# Altium PCB LTE-To-Serial-Adapter.PcbDoc (part 1 of 2) (continued)
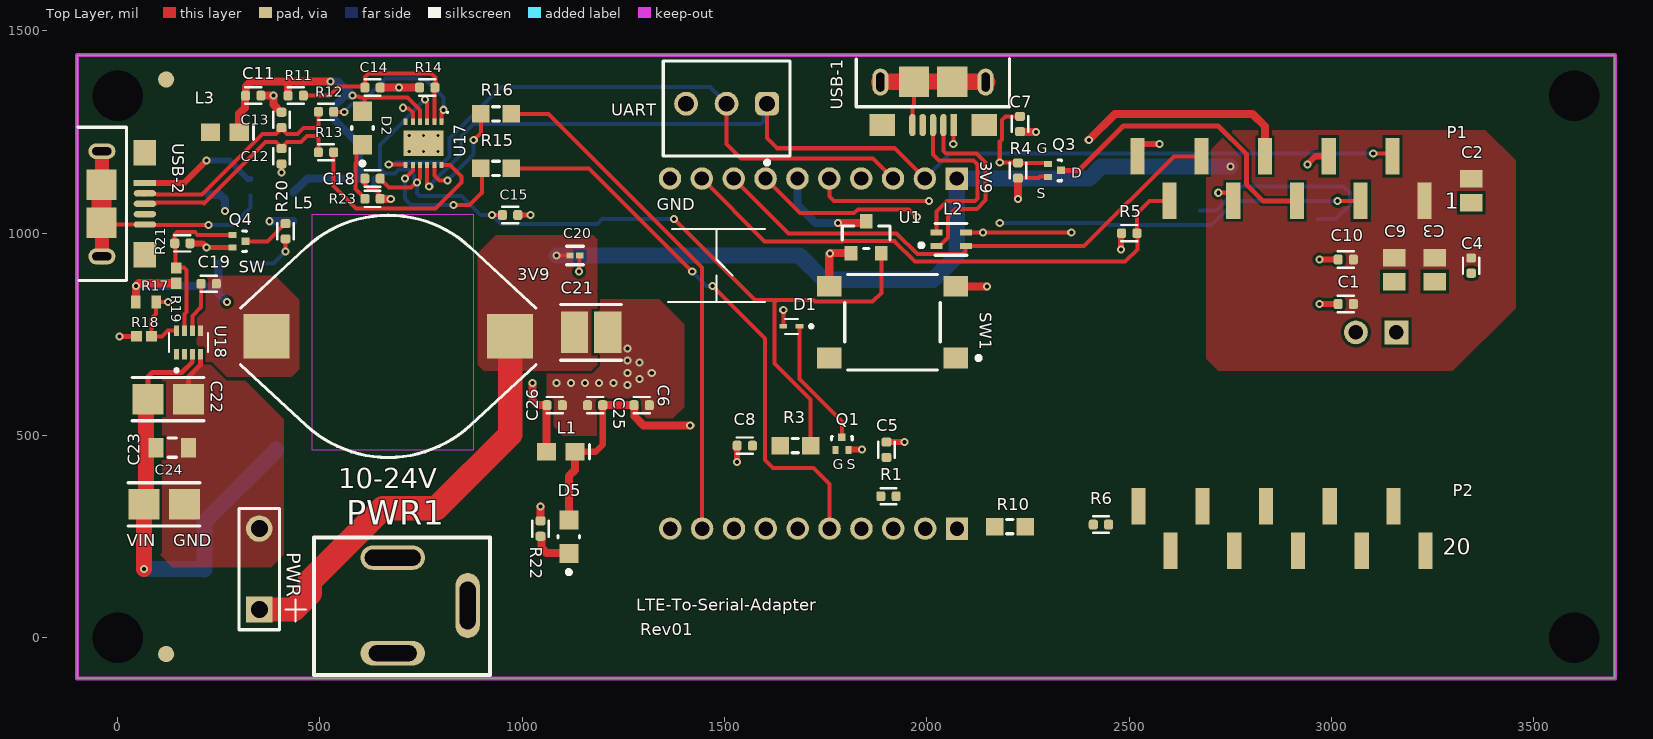
[diagram p0: Top Layer view]
## Part data (continued)
C21: library part CMP-2000-06362-2, "47 µF ±10% 16V Ceramic Capacitor X5R 1210 (3225 Metric)", Capacitance="47UF 16V X5R 1210", Case Code (Imperial)=1210, Case Code (Metric)=3225, Dielectric=X5R, Digi-Key Part Number=490-6539-1-ND, Manufacturer="Murata Electronics", Max Operating Temperature=85°C, Min Operating Temperature=-55°C, Package Quantity=1, Tolerance=10%, Voltage=16V, Case/Package=1210, Depth=2.5mm, Height=2.5mm, Lead Free="Lead Free", Length=3.2mm, Manufacturer Product Number=GRM32ER61C476KE15L, Material=Ceramic, Mount="Surface Mount", Number of Pins=2, Packaging="Cut Tape", Radiation Hardening=No, REACH SVHC="No SVHC", RoHS Compliant=Yes, Termination=SMD/SMT, Thickness=0.106inch, Voltage Rating=16V, Voltage Rating (DC)=16V, Width=0.098inch
C22 C24: library part CMP-2000-06045-2, "10 µF ±10% 50V Ceramic Capacitor X5R 1206 (3216 Metric)", Capacitance="10UF 50V X5R 1206", Case Code (Imperial)=1206, Case Code (Metric)=3216, Dielectric=X5R, Dielectric Material=Ceramic, Digi-Key Part Number=445-5998-1-ND, Manufacturer="TDK Corporation", Max Operating Temperature=85°C, Min Operating Temperature=-55°C, Package Quantity=1, Tolerance=10%, Voltage=50V, Case/Package=1206, Construction=Flat, Depth=1.6mm, Height=1.6mm, Lead Free="Lead Free", Length=3.2mm, Manufacturer Product Number=C3216X5R1H106K160AB, Mount="Surface Mount", Packaging="Tape and Reel", Radiation Hardening=No, REACH SVHC="No SVHC", Resistor Type=Ceramic, RoHS Compliant=Yes, Series=C, Termination=SMD/SMT, Thickness=0.071inch, Voltage Rating=50V, Voltage Rating (DC)=50V, Weight=0.000571oz, Width=0.063inch
C23: library part CMP-2000-07546-2, "0.1 µF ±10% 50V Ceramic Capacitor X7R 0603 (1608 Metric)", Capacitance=100nF, Case Code (Imperial)=0603, Case Code (Metric)=1608, Dielectric=X7R, Digi-Key Part Number=445-5666-1-ND, Manufacturer="TDK Corporation", Max Operating Temperature=125°C, Min Operating Temperature=-55°C, Package Quantity=1, Ratings=AEC-Q200, Tolerance=10%, Voltage=50V, Case/Package=0603, Composition=Ceramic, Depth=0.8mm, Height=0.8mm, Lead Free="Lead Free", Length=1.6mm, Manufacturer Product Number=CGA3E2X7R1H104K080AA, Mount="Surface Mount", Packaging="Tape and Reel", Radiation Hardening=No, REACH SVHC="No SVHC", Termination=SMD/SMT, Thickness=0.035inch, Voltage Rating=50V, Voltage Rating (DC)=50V, Weight=7.1E-05oz, Width=0.8mm
D1: library part "D Zener", "Clamp Ipp Tvs Diode Surface Mount SOD-923", Digi-Key Part Number=DF2S6.2FSL3MCT-ND, Manufacturer="Toshiba Semiconductor and Storage", LatestRevisionDate=17-Jul-2002, LatestRevisionNote="Re-released for DXP Platform.", Manufacturer Product Number=DF2S6.2FS,L3M, PackageDescription="Diode, Thru-Hole; 2 Leads; 0.7 in Pin Spacing", PackageReference=SOD-923, Published=8-Jun-2000, Publisher="Altium Limited"
D2 D4 D5 ONSLEEP: library part CMP-1674-00002-6, "Green 569nm LED Indication - Discrete 2.1V 0805 (2012 Metric)", Case Code (Imperial)=0805, Case Code (Metric)=2012, Color=Green, Digi-Key Part Number=160-1179-1-ND, Forward Current=30mA, Forward Voltage=2.1V, Lens Color=Colorless, Manufacturer="Lite-On Inc.", Max Operating Temperature=85°C, Min Operating Temperature=-55°C, Package Quantity=1, Power Dissipation=100mW, Reverse Voltage=5V, Test Current=10mA, Case/Package=0805, Depth=1.25mm, Dominant Wavelength=569nm, Height=1.1mm, Illumination Color=Green, Lead Free="Lead Free", Length=2mm, Lens Style=Diffused, Lens Transparency=Clear, Luminous Intensity=6mcd, Manufacturer Product Number=LTST-C170GKT, Mount="Surface Mount", Number of Elements=1, Number of LEDs=1, Number of Pins=2, Packaging="Tape and Reel", Power Rating=100mW, Radiation Hardening=No, Viewing Angle=130°, Voltage=5V, Wavelength=565nm, Width=1.25mm
D20: library part CMP-08607-000081-1, "45.4V Clamp 13.3A Ipp Tvs Diode Surface Mount DO-214AA (SMBJ)", Breakdown Voltage=31.1V, Clamping Voltage=45.4V, Digi-Key Part Number=SMBJ28ALFCT-ND, Manufacturer="Littelfuse Inc.", Max Junction Temp=+150°C, Package=SMBJ, Peak Pulse Current=13.3A, Peak Pulse Power=600W, Reverse Standoff Voltage=28V, Temperature="-65°C to +150°C", Temperature Range Low=-65°C, Automotive=No, Category=Diode, ComponentLink2Description=Datasheet, ComponentLink2URL=https://www.littelfuse.com/~/media/electronics/datasheets/tvs_diodes/littelfuse_tvs_diode_smbj_datasheet.pdf.pdf, Device Class L1="Circuit Protection", Device Class L2="TVS Diodes", Device Class L3=unset, Digikey Description="TVS DIODE 28V 45.4V DO214AA", Direction=Unidirectional, Height=2.61mm, Lead Free=Yes, Manufacturer Part Number=SMBJ28A, Manufacturer Product Number=SMBJ28A, Mouser Description="Littelfuse SMBJ28A, Uni-Directional TVS Diode, 600W, 2-Pin DO-214AA", Number Of Channels=1, Octopart=https://octopart.com/smbj28a-littelfuse-350790, RoHS=TRUE, Temperature Range High=+150°C
D21: library part CMP-1667-00003-3, "Diode 40 V 3A Surface Mount SMA", Average Rectified Current=3A, Capacitance=250pF, Case/Package=SMA, Digi-Key Part Number=B340A-FDICT-ND, Forward Voltage=500mV, Max Forward Surge Current (Ifsm)=80A, Max Operating Temperature=125°C, Max Repetitive Reverse Voltage (Vrrm)=40V, Max Reverse Current=500uA, Min Operating Temperature=-55°C, Package Quantity=5000, Contact Plating=Tin, Current=3A, Current Rating=3A, Element Configuration=Single, Forward Current=3A, Height=2.3mm, Lead Free="Lead Free", Length=4.6mm, Manufacturer Product Number=B340A-13-F, Max Reverse Voltage (DC)=40V, Mount="Surface Mount", Number of Pins=2, Output Current=3A, Packaging="Tape and Reel", Peak Non-Repetitive Surge Current=80A, Polarity=Standard, Radiation Hardening=No, REACH SVHC="No SVHC", RoHS Compliant=Yes, Series=-, Termination=SMD/SMT, Voltage=40V, Voltage Rating (DC)=40V, Weight=0.002258oz, Width=2.92mm
J1 J2: "Connector Header Through Hole 10 position 0.079\" (2.00mm)", Digi-Key Part Number=612-MTMM-110-04-G-S-215-ND, Manufacturer="Samtec Inc.", Package=None, Assy Note=DNP, Availability=Unavailable, Manufacturer Product Number=MTMM-110-04-G-S-215, MP=MTMM-110-04-G-S-215, Price=None
L1: library part Inductor, "120 Ohms @ 100 MHz 1 Power Line Ferrite Bead 0603 (1608 Metric) 3A 30mOhm", Digi-Key Part Number=490-5254-1-ND, Manufacturer="Murata Electronics", Supplier Part Number 1=1276-6386-1-ND, Code_IEC=1005, Code_JEITA=0402, Cost=0.02594, LatestRevisionDate=29-May-2009, LatestRevisionNote="IPC-7351 Footprint Added.", Manufacturer Product Number=BLM18KG121TN1D, PackageDescription="Chip Inductor", PackageReference=0402-A, Published=8-Jun-2000, Publisher="Altium Limited", Supplier 1=Digi-Key
L2: library part CMP-07251-000007-1, "2 Line Common Mode Choke Surface Mount 90 Ohms @ 100 MHz 400mA DCR 300mOhm", Case/Package=0805, Current=400mA, DC Resistance (DCR)=300mR, Digi-Key Part Number=SRF2012-900YACT-ND, Insulation Resistance=10MR, Manufacturer="Bourns Inc.", Max Operating Temperature=125°C, Min Operating Temperature=-40°C, Package Quantity=1, Resistance=90R, Test Frequency=100MHz, Tolerance=25%, Voltage Rating (DC)=50V, ComponentLink1Description=Datasheet, ComponentLink1URL=C:\Users\Roman.Chak\Documents\Projects\UVDI-360\Docs\Datasheets\Inductor\SRF2012A.pdf, Core Material=Ferrite, Current Rating=400mA, DC Current=400mA, Depth=1.4mm, Element Configuration=Dual, Halogen Free="Halogen Free", Height=1.2mm, Impedance=90R, Length=2mm, Manufacturer Product Number=SRF2012-900YA, Material=Steel, Max DC Current=400mA, Mount="Surface Mount", Number of Lines=2, Packaging="Tape and Reel", REACH SVHC="No SVHC", RoHS Compliant=Yes, Series=SRF2012A, Shielding=Unshielded, Termination=SMD/SMT, Width=1.2mm
L3: library part Inductor, "80 Ohms @ 100 MHz 1 Ferrite Bead 0603 (1608 Metric) 600mA 100mOhm", Digi-Key Part Number=4161-CTCB0603F-800M-ND, Manufacturer="Central Technologies", Code_IEC=1005, Code_JEITA=0402, ComponentLink1Description="CIM10U800NC Datasheet", ComponentLink1URL="C:\Users\Roman.Chak\Documents\Projects\UVDI-360\Docs\Datasheets\Ferrite Bid\CIB_CIM10_ds.pdf", ComponentLink2Description=Datasheet, ComponentLink2URL="C:\Users\Roman.Chak\Documents\Projects\UVDI-360\Docs\Datasheets\Ferrite Bid\ctcbf-pwr.pdf", Cost=0.02594, Desc="FERRITE BEAD 80 OHM 0603 1LN", LatestRevisionDate=29-May-2009, LatestRevisionNote="IPC-7351 Footprint Added.", Manufacturer Product Number=CTCB0603F-800M, PackageDescription="Chip Inductor", PackageReference=0402-A, Published=8-Jun-2000, Publisher="Altium Limited"
L4: library part "Trans Ideal", "Common Mode Chokes / Filters", Manufacturer=Coilcraft, ComponentLink1Description="C Datasheet", ComponentLink1URL="C:\Users\chakr\OneDrive\Documents\Projects\WiFi Node Rev3.0-3.1-4.0\Docs\Datasheets\Firter Bid\DS_FT2232D.pdf", LatestRevisionDate=17-Jul-2002, LatestRevisionNote="Re-released for DXP Platform.", Manufacturer Product Number=1206USB-223MLB, PackageDescription="Transformer; 4 Leads", PackageReference=TRF_4, Published=8-Jun-2000, Publisher="Altium Limited"
L5: library part 74458005, "5.6 µH Unshielded Drum Core, Wirewound Inductor 5.3 A 20mOhm Max Nonstandard / WE-PD4 SMT Power Inductor, Type X, 5.6µH, 5.3A, 0.02Ω", Alternative Manufacture="NIC Components", Alternative Part Number=NPI52W5R6MTRF, Case/Size Code="Type X", DC Resistance=0.012Ω, DC Resistance Max=0.02Ω, Digi-Key Part Number=732-1380-1-ND, Inductance=5.6µH, Manufacturer="Wurth Elektronik", Operating Temperature Max=125°C, Operating Temperature Min=-40°C, Rated Current=5.3A, Saturation Current=13.1A, Self Resonant Frequency=26MHz, Category="Unshielded Power Inductors", ComponentLink1Description="Website Link", ComponentLink1URL=https://www.we-online.com/redexpert/article/74458005?ad, ComponentLink2Description="Datasheet Link", ComponentLink2URL=https://www.we-online.com/redexpert/spec/74458005?ad, ComponentLink3Description="DigiKey Link", ComponentLink3URL=https://www.digikey.com/en/products/detail/w%C3%BCrth-elektronik/74458005/1638785?s=N4IgjCBcoMxgLFUBjKAzAhgGwM4FMAaEAeygG1x4YqA2EAXSIAcAXKEAZRYCcBLAOwDmIAL5EATAAYAHAHYkIVJEy5CJciACsAOhoACAK0AJBszaQQAVX68WAeTQBZPBhwBXbnlESZ0hUpV8IlJICh0YPQBBUxBWdmtbB2dXDy8xEABacX8oHjc1ELCGEXTs0JABABM3ZBZibmKgA, ComponentLink4Description=Datasheet, ComponentLink4URL="C:\Users\Roman.Chak\Documents\Projects\UVDI-360\Docs\Datasheets\Wurth Electronics\74458005.pdf", Height=7.1mm, Length=18.5mm, Manufacturer Part Number=74458005, Manufacturer Product Number=74458005, Match Code=WE-PD4, Mount="Surface Mount", Packaging="Tape and Reel", Width=15.2mm
P1: library part Skywire_Header_1_10, "CONN HDR 10POS 0.079 GOLD SMD", Digi-Key Part Number=S5901-10-ND, Manufacturer="Sullins Connector Solutions", ComponentLink1Description=Digi-Key, ComponentLink1URL=https://www.digikey.com/en/products/detail/sullins-connector-solutions/NPPN101BFLC-RC/810012?s=N4IgTCBcDaIMoFYCcAGAjAWjSjA5AIiALoC%2BQA, ComponentLink2Description=Datasheet, ComponentLink2URL=C:\Users\Roman.Chak\Documents\Projects\UVDI-360\Docs\Datasheets\Header\10489_NPPN101BFLC-RC.pdf, Manufacturer Product Number=NPPN101BFLC-RC
P2: library part skywire_header_11_20, "CONN HDR 10POS 0.079 GOLD SMD", Digi-Key Part Number=S5901-10-ND, Manufacturer="Sullins Connector Solutions", ComponentLink1Description=Datasheet, ComponentLink1URL=C:\Users\Roman.Chak\Documents\Projects\UVDI-360\Docs\Datasheets\Header\10489_NPPN101BFLC-RC.pdf, Manufacturer Product Number=NPPN101BFLC-RC
P6 PWR: "Header, 2-Pin", LatestRevisionDate=17-Jul-2002, LatestRevisionNote="Re-released for DXP Platform.", Publisher="Altium Limited"
PWR1: library part 1000221, "Power Barrel Connector Jack 2.10mm ID (0.083\"), 5.50mm OD (0.217\") Through Hole, Right Angle", Color=Black, Current_Rating=2.5A, DigiKey Part Number=CP-202AH-ND, Manufacturer="Same Sky (Formerly CUI Devices)", Manufacturer1="CUI Inc", Manufacturer Product Number=PJ-202AH, Manufacturer_Part_Number1=PJ-002A, Operating_Temperature="-25°C ~ 85°C", Voltage_Rating=24VDC, Bom_View=https://app.bom.com/a/M4NTV6P6P87E101Q?v=bom.indented, Connector_Type=Jack, Contact_Type="Male Pin", Costing_View=https://app.bom.com/a/M4NTV6P6P87E101Q?v=costing.summary, Datasheet_Link=http://www.cui.com/product/resource/digikeypdf/pj-202a.pdf, Distributor1=Digi-Key, Distributor2=Digi-Key, Distributor_Part_Number1=CP-002A-ND, Distributor_Part_Number2=CP-202A-ND, Files_View=https://app.bom.com/a/M4NTV6P6P87E101Q?v=files.associations, Gender=Male, Header_Orientation=Horizontal, Insertion_Removal_Method="Push In / Pull Out", Item_Phase=Production, Manufacturer2="CUI Inc", Manufacturer_Part_Number2=PJ-202A, Mounting_Type="Through Hole", Part_Number=1000221, Part_Type=Connector, Revision=B, Sourcing_View=https://app.bom.com/a/M4NTV6P6P87E101Q?v=sourcing.relationships, Specs_View=https://app.bom.com/a/M4NTV6P6P87E101Q?v=spec.summary, Termination=Solder
Q1 Q2 Q3 Q4: "N-Channel 20 V 100mA (Ta) 150mW (Ta) Surface Mount VMT3", Digi-Key Part Number=RUM001L02T2CLCT-ND, Manufacturer="Rohm Semiconductor", ComponentLink1Description=Datasheet, ComponentLink1URL=C:\Users\Roman.Chak\Documents\Projects\UVDI-360\Docs\Datasheets\MOSFET\rum001l02t2cl-e.pdf, Manufacturer Product Number=RUM001L02T2CL
R1 R5 R6: library part 1000794, "1 kOhms ±1% 0.063W, 1/16W Chip Resistor 0402 (1005 Metric) Thick Film", Digi-Key Part Number=CR0402-FX-1001GLFCT-ND, Manufacturer1="Bourns Inc", Manufacturer2="Samsung Electro-Mechanics America, Inc", Manufacturer_Part_Number2=RC1005F102CS, Operating_Temperature="-55°C ~ 155°C", Power="0.063W, 1/16W", Resistance_Ohms=1k, Resistor_Package="0402 (1005 Metric)", Temperature_Coefficient=±100ppm/°C, Tolerance=±1%, Bom_View=https://app.bom.com/a/O6PVX8R8RA9G31AY?v=bom.indented, Composition="Thick Film", Costing_View=https://app.bom.com/a/O6PVX8R8RA9G31AY?v=costing.summary, Datasheet_Link=http://media.digikey.com/pdf/Data%20Sheets/Samsung%20PDFs/RC_Series_ds.pdf, Distributor1=Digi-Key, Distributor2=Digi-Key, Distributor_Part_Number1=CR0402-FX-1001GLFTR-ND, Distributor_Part_Number2=1276-3430-2-ND, Features="Moisture Resistant", Files_View=https://app.bom.com/a/O6PVX8R8RA9G31AY?v=files.associations, Height="0.016\" (0.40mm)", Item_Phase=Production, Manufacturer=CR0402-FX-1001GLF, Manufacturer Product Number=CR0402-FX-1001GLF, Manufacturer_Part_Number1=CR0402-FX-1001GLF, Mounting_Type="Surface Mount", Number_of_Terminations=2, Part_Number=CR0402-FX-1001GLF, Part_Type=Resistor, Revision=A, Size_Dimension="0.039\" L x 0.020\" W (1.00mm x 0.50mm)", Sourcing_View=https://app.bom.com/a/O6PVX8R8RA9G31AY?v=sourcing.relationships, Specs_View=https://app.bom.com/a/O6PVX8R8RA9G31AY?v=spec.summary
R2 R20 R22 R23: library part 1001162, "330 Ohms ±1% 0.1W, 1/10W Chip Resistor 0402 (1005 Metric) Automotive AEC-Q200 Thick Film", Digi-Key Part Number=P330LCT-ND, Manufacturer="Panasonic Electronic Components", Operating_Temperature="-55°C ~ 155°C", Power="0.1W, 1/10W", Resistance=330, Resistor_Package="0402 (1005 Metric)", Temperature_Coefficient=±100ppm/°C, Tolerance=±1%, Bom_View=https://app.bom.com/a/1J28AL4L4NMTGF0H?v=bom.indented, Composition="Thick Film", Costing_View=https://app.bom.com/a/1J28AL4L4NMTGF0H?v=costing.summary, Datasheet_Link=http://industrial.panasonic.com/www-cgi/jvcr13pz.cgi?E+PZ+3+AOA0002+ERJ2RKF3300X+7+WW, Distributor1=Digi-Key, Distributor_Part_Number1=P330LCT-ND, Features="Automotive AEC-Q200", Files_View=https://app.bom.com/a/1J28AL4L4NMTGF0H?v=files.associations, Height="0.016\" (0.40mm)", Item_Phase=Production, Manufacturer1="Panasonic Electronic Components", Manufacturer Product Number=ERJ-2RKF3300X, Manufacturer_Part_Number1=ERJ-2RKF3300X, Mounting_Type="Surface Mount", Number_of_Terminations=2, Part_Number=1001162, Part_Type=Resistor, Revision=A, Size_Dimension="0.039\" L x 0.020\" W (1.00mm x 0.50mm)", Sourcing_View=https://app.bom.com/a/1J28AL4L4NMTGF0H?v=sourcing.relationships, Specs_View=https://app.bom.com/a/1J28AL4L4NMTGF0H?v=spec.summary
R3 R10 R15 R16: library part 1001176, "0 Ohms Jumper Chip Resistor 0603 (1608 Metric) Automotive AEC-Q200 Thick Film", Digi-Key Part Number=RMCF0603ZT0R00CT-ND, Manufacturer="Stackpole Electronics Inc", Operating_Temperature="-55°C ~ 125°C", Power="0.25W, 1/4W", Resistance=0, Resistor_Package="0805 (2012 Metric)", Temperature_Coefficient=±100ppm/°C, Tolerance=±1%, Bom_View=https://app.bom.com/a/Q8RXZATATCBI53HK?v=bom.indented, Composition="Thick Film", Costing_View=https://app.bom.com/a/Q8RXZATATCBI53HK?v=costing.summary, Datasheet_Link=http://industrial.panasonic.com/lecs/www-data/pdf/AOA0000/AOA0000CE3.pdf, Distributor1=Digi-Key, Distributor_Part_Number1=RMCF0603ZT0R00CT-ND, Features="Automotive AEC-Q200, Current Sense", Files_View=https://app.bom.com/a/Q8RXZATATCBI53HK?v=files.associations, Height="0.028\" (0.70mm)", Item_Phase=Production, Manufacturer1="Stackpole Electronics Inc", Manufacturer Product Number=RMCF0603ZT0R00, Mounting_Type="Surface Mount", Number_of_Terminations=2, Part_Number=RMCF0603ZT0R00, Part_Type=Resistor, Revision=A, Size_Dimension="0.079\" L x 0.049\" W (2.00mm x 1.25mm)", Sourcing_View=https://app.bom.com/a/Q8RXZATATCBI53HK?v=sourcing.relationships, Specs_View=https://app.bom.com/a/Q8RXZATATCBI53HK?v=spec.summary
R4 R11: library part 1000795, "10 kOhms ±5% 0.063W, 1/16W Chip Resistor 0402 (1005 Metric) Moisture Resistant Thick Film", Digi-Key Part Number=311-10KJRCT-ND, Manufacturer=YAGEO, Manufacturer1="Bourns Inc", Manufacturer_Part_Number1=CR0402-FX-1002GLF, Manufacturer_Part_Number2=CR0402-FX-1002GAS, Operating_Temperature="-55°C ~ 155°C", Power="0.063W, 1/16W", Resistance_Ohms=10k, Resistor_Package="0402 (1005 Metric)", Temperature_Coefficient=±100ppm/°C, Tolerance=±1%, Bom_View=https://app.bom.com/a/P7QWY9S9SBAH42BP?v=bom.indented, Composition="Thick Film", Costing_View=https://app.bom.com/a/P7QWY9S9SBAH42BP?v=costing.summary, Datasheet_Link=http://media.digikey.com/pdf/Data%20Sheets/Samsung%20PDFs/RC_Series_ds.pdf, Distributor1=Digi-Key, Distributor2=Digi-Key, Distributor_Part_Number1=CR0402-FX-1002GLFTR-ND, Distributor_Part_Number2=CR0402-FX-1002GASTR-ND, Features="Moisture Resistant", Files_View=https://app.bom.com/a/P7QWY9S9SBAH42BP?v=files.associations, Height="0.016\" (0.40mm)", Item_Phase=Production, Manufacturer2="Bourns Inc", Manufacturer Product Number=RC0402JR-0710KL, Mounting_Type="Surface Mount", Number_of_Terminations=2, Part_Number=RC0402JR-0710KL, Part_Type=Resistor, Revision=A, Size_Dimension="0.039\" L x 0.020\" W (1.00mm x 0.50mm)", Sourcing_View=https://app.bom.com/a/P7QWY9S9SBAH42BP?v=sourcing.relationships, Specs_View=https://app.bom.com/a/P7QWY9S9SBAH42BP?v=spec.summary
R7 R21: library part 1000797, "1 MOhms ±1% 0.063W, 1/16W Chip Resistor 0402 (1005 Metric) Thick Film", Digi-Key Part Number=CR0402-FX-1004GLFCT-ND, Manufacturer="Bourns Inc.", Manufacturer1="Bourns Inc", Manufacturer2="Samsung Electro-Mechanics America, Inc", Manufacturer_Part_Number2=RC1005F105CS, Operating_Temperature="-55°C ~ 155°C", Power="0.063W, 1/16W", Resistance=1M, Resistor_Package="0402 (1005 Metric)", Temperature_Coefficient=±100ppm/°C, Tolerance=±1%, Bom_View=https://app.bom.com/a/R9SY0BUBUDCJ64DV?v=bom.indented, Composition="Thick Film", Costing_View=https://app.bom.com/a/R9SY0BUBUDCJ64DV?v=costing.summary, Datasheet_Link=http://media.digikey.com/pdf/Data%20Sheets/Samsung%20PDFs/RC_Series_ds.pdf, Distributor1=Digi-Key, Distributor2=Digi-Key, Distributor_Part_Number1=CR0402-FX-1004GLFTR-ND, Distributor_Part_Number2=1276-3433-2-ND, Features="Moisture Resistant", Files_View=https://app.bom.com/a/R9SY0BUBUDCJ64DV?v=files.associations, Height="0.016\" (0.40mm)", Item_Phase=Production, Manufacturer Product Number=CR0402-FX-1004GLF, Manufacturer_Part_Number1=CR0402-FX-1004GLF, Mounting_Type="Surface Mount", Number_of_Terminations=2, Part_Number=1000797, Part_Type=Resistor, Revision=A, Size_Dimension="0.039\" L x 0.020\" W (1.00mm x 0.50mm)", Sourcing_View=https://app.bom.com/a/R9SY0BUBUDCJ64DV?v=sourcing.relationships, Specs_View=https://app.bom.com/a/R9SY0BUBUDCJ64DV?v=spec.summary
R8: library part 1000794, "5.23 kOhms ±1% 0.063W, 1/16W Chip Resistor 0402 (1005 Metric) Moisture Resistant Thick Film", Manufacturer=YAGEO, Manufacturer1="Bourns Inc", Manufacturer Product Number=RC0402FR-075K23L, Operating_Temperature="-55°C ~ 155°C", Power="0.063W, 1/16W", Resistance="5.23k 1%", Resistance_Ohms=5.23k, Resistor_Package="0402 (1005 Metric)", Temperature_Coefficient=±100ppm/°C, Tolerance=±1%, Composition="Thick Film", Digi-Key Part Number=YAG3195CT-ND, Features="Moisture Resistant", Height="0.016\" (0.40mm)", Item_Phase=Production, Mounting_Type="Surface Mount", Number_of_Terminations=2, Part_Number=YAG3195CT-ND, Part_Type=Resistor, Revision=A, Size_Dimension="0.039\" L x 0.020\" W (1.00mm x 0.50mm)"
R9: library part 1000794, "10 kOhms ±5% 0.063W, 1/16W Chip Resistor 0402 (1005 Metric) Moisture Resistant Thick Film", Digi-Key Part Number=311-10KJRCT-ND, Manufacturer=YAGEO, Manufacturer1="Bourns Inc", Operating_Temperature="-55°C ~ 155°C", Power="0.063W, 1/16W", Resistance_Ohms=10k, Resistor_Package="0402 (1005 Metric)", Temperature_Coefficient=±100ppm/°C, Tolerance=±1%, Composition="Thick Film", Features="Moisture Resistant", Height="0.016\" (0.40mm)", Item_Phase=Production, Manufacturer Product Number=RC0402JR-0710KL, Mounting_Type="Surface Mount", Number_of_Terminations=2, Part_Number=311-10KJRCT-ND, Part_Type=Resistor, Revision=A, Size_Dimension="0.039\" L x 0.020\" W (1.00mm x 0.50mm)"
R12 R13: library part Res3, "RES SMD 27 OHM 5% 1/16W 0402", Digi-Key Part Number=RHM27CECT-ND, Manufacturer="Rohm Semiconductor", Cost=0.00384, LatestRevisionDate=29-May-2009, LatestRevisionNote="IPC-7351 Footprint Added.", Manufacturer Part Number=MCR01MRTJ270, PackageDescription="Chip Resistor", PackageReference=J1-0603, Published=8-Jun-2000, Publisher="Altium Limited", Supplier 1=Digi-Key, Supplier Part Number 1=RHM27CECT-ND
R14: library part Res3, "RES SMD 15K OHM 1% 1/10W 0402", Digi-Key Part Number=P15.0KLCT-ND, Manufacturer="Panasonic Electronic Components", Supplier Part Number 1=P15.0KLDKR-ND, Cost=0.00384, LatestRevisionDate=29-May-2009, LatestRevisionNote="IPC-7351 Footprint Added.", Manufacturer Part Number=ERJ-2RKF1502X, PackageDescription="Chip Resistor", PackageReference=J1-0603, Published=8-Jun-2000, Publisher="Altium Limited", Supplier 1=Digi-Key
R17: library part CMP-2000-06940-1, "39 kOhms ±1% 0.1W, 1/10W Chip Resistor 0603 (1608 Metric) Moisture Resistant Thick Film", Case Code - in=0603, Case Code - mm=1608, Digi-Key Part Number=311-39.0KHRCT-ND, Manufacturer=YAGEO, Operating Temperature Range=-55Cto+155C, Package Description="2-Pin Surface Mount Device, Body 1.6 x 0.8 mm", Power Rating=100mW, Resistance="39K OHM 1% 0603", Temperature Coefficient=100PPM/C, Tolerance=1%, Voltage Rating=50V, Datasheet URL=http://www.yageo.com/documents/recent/PYu-RC_Group_51_RoHS_L_7.pdf, Datasheet Version="Rev. 7, 05/2017", Manufacturer Product Number=RC0603FR-0739KL, Manufacturer URL=http://www.yageo.com/, Mounting Technology=SurfaceMount, Package Reference=0603, Packaging=Reel, Product=ThickFilmResistorsGeneralPurpose, Series=RC, Termination Style=SMD/SMT
R18: library part CMP-2002-03043-1, "10 kOhms ±1% 0.2W, 1/5W Chip Resistor 0402 (1005 Metric) Automotive AEC-Q200, Pulse Withstanding Thick Film", Digi-Key Part Number=541-10.0KYCT-ND, Manufacturer="Vishay Dale", Resistance="10K OHM 1% 1/5W 0402", Manufacturer Product Number=CRCW040210K0FKEDHP, Part Number=CRCW040210K0FKEDHP
R19: library part CMP-2002-03043-1, "10 kOhms ±1% 0.2W, 1/5W Chip Resistor 0402 (1005 Metric) Automotive AEC-Q200, Pulse Withstanding Thick Film", Digi-Key Part Number=541-10.0KYCT-ND, Manufacturer="Vishay Dale", Resistance="10K OHM 1%", Manufacturer Product Number=CRCW040210K0FKEDHP, Part Number=CRCW040210K0FKEDHP
SW1: library part CMP-2000-05160-2, "SWITCH TACTILE SPST-NO 0.05A 12V", Case/Package=SMD/SMT, Color=Black, Contact Resistance=100mR, Current Rating=50mA, Digi-Key Part Number=CKN9112CT-ND, Manufacturer=C&K, Manufacturer Product Number="PTS645SM43SMTR92 LFS", Max Operating Temperature=60°C, Max Voltage Rating (DC)=12V, Min Operating Temperature=-20°C, Operating Force=160gf, Package Quantity=1, Actuator Length=0.85mm, Actuator Material=Nylon, Actuator Type=Standard, Contact Material=Silver, Contact Plating=Silver, Depth=9mm, Illumination Type=Non-Illuminated, Lead Free="Lead Free", Length=6mm, Max Current Rating=50mA, Mechanical Life=100000Cycles, Mount="Surface Mount", Orientation=Straight, Packaging="Tape and Reel", REACH SVHC="No SVHC", Switch Function=Off-Mom, Termination="Gull Wing", Throw Configuration=SPST, Voltage Rating (DC)=12V
U1: library part CMP-12756-000008-1, "Linear Voltage Regulator IC Positive Fixed 1 Output 150mA SOT-23-3", Digi-Key Part Number=AP2120N-3.3TRG1DICT-ND, Dropout Voltage=300mV, Manufacturer="Diodes Incorporated", Max Junction Temp=+85°C, Max Supply Voltage=6V, Min Supply Voltage=2V, Nominal Supply Current=25uA, Output Current=150mA, Output Voltage=3.3V, Package=SOT23, Temperature="-40°C to +85°C", Temperature Range Low=-40°C, Accuracy Percentage=2%, Automotive=No, Category=IC, ComponentLink2Description=Package, ComponentLink2URL=https://www.diodes.com/assets/Package-Files/SOT23.pdf, ComponentLink3Description=Datasheet, ComponentLink3URL="C:\Users\Roman.Chak\Documents\Projects\UVDI-360\Docs\Datasheets\Diodes Incorporated\AP2120.pdf", Device Class L1="Integrated Circuits (ICs)", Device Class L2="Power Management ICs", Device Class L3="Voltage Regulators - Linear", Digikey Description="IC REG LINEAR 3.3V 150MA SOT23", Footprint Url=https://www.diodes.com/assets/Package-Files/SOT23.pdf, Height=1.1mm, Ipc Land Pattern Name=SOT92P240X102-3, Lead Free=Yes, Manufacturer Part Number=AP2120N-3.3TRG1, Manufacturer Product Number=AP2120N-3.3TRG1, Mouser Description="AP2120 Series 3.3 V 0.15 A Surface Mount CMOS LDO Regulator - SOT23", Number Of Outputs=1, Octopart=https://octopart.com/ap2120n-3.3trg1-diodes+inc.-30954573, Output Type=Fixed, RoHS=TRUE, Standoff Height=0.013mm, Temperature Range High=+85°C
U2: library part CMP-04857-000005-1, "IC OSC PROG TIMER TSOT23-6", Case/Package=SOT-23-6, Digi-Key Part Number=296-42621-1-ND, Manufacturer="Texas Instruments", Max Operating Temperature=105°C, Max Supply Voltage=5.5V, Min Operating Temperature=-40°C, Min Supply Voltage=1.8V, Operating Supply Current=35nA, ComponentLink1Description=Datasheet, ComponentLink1URL=C:\Users\Roman.Chak\Documents\Projects\UVDI-360\Docs\Datasheets\TI\tpl5111.pdf, Lead Free="Lead Free", Manufacturer Product Number=TPL5111DDCT, Mount="Surface Mount", Number of Pins=6, Packaging="Cut Tape", Quiescent Current=35nA, REACH SVHC="No SVHC", RoHS Compliant=Yes
U17: library part CMP-0248-00027-1, "IC USB SERIAL BASIC UART 12DFN", Digi-Key Part Number=768-1178-1-ND, Manufacturer="FTDI, Future Technology Devices International Ltd", Supplier Part Number 1=768-1178-6-ND, ComponentLink1Description="Manufacturer URL", ComponentLink1URL=http://www.ftdichip.com/, ComponentLink2Description="Datasheet Link", ComponentLink2URL=http://www.ftdichip.com/Support/Documents/DataSheets/ICs/DS_FT234XD.pdf, ComponentLink3Description=Datasheet, ComponentLink3URL=C:\Users\Roman.Chak\Documents\Projects\UVDI-360\Docs\Datasheets\FTDI\DS_FT234XD.pdf, Cost=2.17, DatasheetVersion="ver 1.1, Feb-2013", Manufacturer Part Number=FT234XD-R, PackageDescription="12-Pin Dual Flat No-Lead, 3 x 3 mm Body, 0.45 mm Pitch, Exposed Pad", PackageReference=DFN-12, PackageVersion=Feb-13, PartNumber=FT234XD-R, Supplier 1=Digi-Key
U18: "Buck Switching Regulator IC Positive Adjustable 0.8V 1 Output 3A SOT-583", Digi-Key Part Number=296-TPS62933PDRLRCT-ND, Manufacturer="Texas Instruments", Package=None, Availability="In Stock", Check_prices=https://www.snapeda.com/parts/TPS62933PDRLR/Texas+Instruments/view-part/?ref=eda, ComponentLink1Description="DigiKey link", ComponentLink1URL=https://www.digikey.com/en/products/detail/texas-instruments/TPS62933PDRLR/16669314?s=N4IgTCBcDaICoAUDKA2MBOAzJhIC6AvkA, ComponentLink2Description=Datasheet, ComponentLink2URL=C:\Users\Roman.Chak\Documents\Projects\UVDI-360\Docs\Datasheets\TI\tps62933f.pdf, Manufacturer Product Number=TPS62933PDRLR, MF="Texas Instruments", MP=TPS62933PDRLR, Price=None, Purchase-URL=https://pricing.snapeda.com/search/part/TPS62933PDRLR/?ref=eda, SnapEDA_Link=https://www.snapeda.com/parts/TPS62933PDRLR/Texas+Instruments/view-part/?ref=snap
UART: library part CMP-1502-00585-2, "Connector Header Through Hole 3 position 0.100\" (2.54mm)", Color=Beige, Contact Resistance=20mΩ, Current Rating=3A, DigiKey Part Number=732-2696-ND, Flammability Rating="UL94 V-0", Insulation Resistance=1GΩ, Manufacturer="Würth Elektronik", Max Operating Temperature=105°C, Min Operating Temperature=-40°C, Operating Supply Voltage=250V, Connector Type="Male Pin", Contact Gender=Male, Contact Material=Copper, Contact Mating Length=7.493mm, Contact Plating=Tin, Fastening Type=Friction, Gender=Male, Height=12.5mm, Housing Material=Nylon, Lead Pitch=2.54mm, Length=7.62mm, Manufacturer Product Number=61900311121, Mount="Through Hole", NexarPartId=18818222, Number of Contacts=3, Number of Pins=3, Number of Positions=3, Number of Rows=1, Orientation=Vertical, Packaging=Bulk, Pitch=2.54mm, REACH SVHC=Unknown, RoHS=Compliant, Termination="Through Hole", Voltage Rating=250V, Width=7.66mm
USB-1 USB-2: library part "USB mini", "USB - micro B USB 2.0 Receptacle Connector 5 Position Surface Mount, Right Angle, Horizontal", Digi-Key Part Number=609-4616-1-ND, Manufacturer=FCI, Alternative=None, Assembly Note=Install, ComponentLink1Description="C datasheet", ComponentLink1URL="C:\Users\rchak\Documents\Projects\WiFi Node Rev2.0\Docs\Datasheets\USB\10118193.pdf", ComponentLink2Description=Folder, ComponentLink2URL="C:\Users\rchak\Documents\Projects\WiFi Node Rev2.0\Docs\Datasheets\USB", Cost=0.25988, Loc=Vendor, Manufacturer Part Number=10118193-0001LF, Price for 100=0.30320, Protorype Price=0.46000, Purchased by=Vendor, Supplier 1=Digi-Key, Supplier 2=Digi-Key, Type=SMD

## Free pads (board coordinates)
  round 0 hole 125 unplated: 0(0,0) 0(0,1340) 0(3600,0) 0(3600,1340)
  round 40 smd: 1(120,-40) 1(120,1380)

## Via types
v1: diameter 20, hole 10, Top Layer to Bottom Layer, 76 vias
v2: diameter 19.68, hole 7.87, Top Layer to Bottom Layer, 6 vias

## Nets (pads, with @x,y where several pads share a name; then routed paths per layer and width w, separated by ;. In a path a pad name is that pad's centre, name@x,y a point inside that pad or via, vN(x,y) a via of type N, cw(c..) or ccw(c..) an arc to the next point about the centre after c; other vN are vias at no path point)
BST: C19.1 U18.6 | length 124.9
  Top Layer w10: U18.6@184.84,758.94 184.84,795.8 206.1,817.06 C19.1@206.1,875
CON_USB_N: L2.1 USB-1.2 | length 471.9
  Top Layer w10: L2.1@2023.58,968.27 2030.47,968.27 2052.1,989.9 2052.1,1041.24 2070.86,1060 2123.18,1060 2145,1081.82 2145,1175 2123,1197 2046.61,1197 2040.76,1202.86 USB-1.2@2040.76,1267.27
CON_USB_P: L2.4 USB-1.3 | length 443.3
  Top Layer w10: USB-1.3@2015.17,1267.27 2015.17,1194.83 2030,1180 2115,1180 2125,1170 2125,1085.86 2119.14,1080 2050,1080 2023.58,1053.58 L2.4@2023.58,1001.73
CTS#: R16.1 U17.11 | length 263
  Top Layer w10: U17.11@782.72,1168.7 782.72,1142.28 795,1130 v1(815,1130) ; v1(880,1230) 897.6,1247.6 R16.1@897.6,1295
  Bottom Layer w10: v1(815,1130) 880,1195 v1(880,1230)
DELAY_MDRV: R8.2 U2.3
DONE: R9.2 U2.4
DRVn: P6.1 U2.5
FB: C20.2 R17.1 R18.2 U18.8 | length 1498.6
  Top Layer w10: v1(125,830) R17.1@95.59,830 95,829.41 95,800 83.7,788.7 R18.2@83.7,745 110,745 125,760 144.41,760 U18.8@145.47,758.94 ; v1(1140,905) 1140.99,905.99 1140.99,944.01 C20.2@1141.98,945
  Mid Layer 1 Sig w10: v1(125,830) 180,830 337.5,987.5 387.5,987.5 460,1060 681.11,1060 713.11,1092 868,1092 895,1065 913.56,1065 915.56,1067 1093,1067 1140,1020 v1(1140,905)
GND: C1.2 C2.2 C3.2 C4.2 C5.2 C6.2 C7.2 C8.2 C9.2 C10.2 C11.1 C12.1 C13.1 C14.1 C15.2 C16.2 C17.1 C18.1 C21.2 C22.2 C23.2 C24.2 C25.2 C26.2 D1.1 D20.2 J1.4 J1.10 J2.6 J2.10 L4.2 P1.4 P1.10 P2.1 P2.5 PWR1.3 PWR.2 Q1.2 Q2.2 Q3.2 Q4.2 R1.1 R4.1 R5.1 R6.1 R7.1 R8.1 R9.1 R14.1 R18.1 R21.1 R22.1 R23.1 SW1.3 SW1.4 U1.1 U2.2 U2.6 U17.5 U17.13 U18.4 UART.3 USB-1.5 USB-1.MH1 | length 2100.3
  Top Layer w10: C18.1@611.1,1135 610,1133.9 610,1122.01 622.8,1109.2 640.8,1109.2 644.98,1105.02 644.98,1088.92 R23.1@648.9,1085 ; v1(705,1310) 706.91,1308.09 719.35,1308.09 729.57,1297.87 U17.5@729.57,1275 ; v1(1645,810) 1645.12,809.88 D1.1@1645.12,770 ; USB-1.5@1963.98,1267.27 1963.98,1313.36 1967.92,1317.3 USB-1.MH1@1967.92,1374.56 ; R4.1@2225,1136.1 2276.1,1136.1 2280,1140 2298.5,1140 Q3.2@2299.25,1139.25
  Top Layer w12: v1(5,745) R18.1@46.3,745 ; C22.2@175.24,590 175.24,645.24 204.53,674.53 U18.4@204.53,701.06 ; v1(220,965) 220.37,964.63 283.88,964.63 Q4.2@284.25,964.25 ; v1(405,1150) C12.1@405,1171.1 ; C15.2@988.9,1045 v1(1020,1045)
  Top Layer w15: R21.1@178.9,975 210,975 v1(220,965) ; v1(265,1055) v1@265.96,1054.04 ; v1(1531.1,435) C8.2@1531.1,475 ; Q1.2@1805.75,464.25 1805.75,464.78 1805.96,465 v1(1840,465) ; C5.2@1900,483.9 v1(1945,483.9) ; v1(2480,960) 2480,998.9 R5.1@2481.1,1000 ; P1.10@2520.67,1190.12 2520.67,1209.98 2530.69,1220 v1(2575,1220) ; v1(2940,1170) 2960.12,1190.12 P1.4@2993.11,1190.12 ; v1(2970,825) C1.2@3016.1,825 ; v1(2970,935) C10.2@3016.1,935
  Top Layer w20: C11.1@353.9,1339.02 C11.1@353.9,1340 v1(385,1340) 385,1317.92 404.02,1298.9 C13.1@405,1298.9 ; R23.1@648.9,1085 v1(675,1085) ; C14.1@648.9,1360 v1(695,1360) R14.1@746.1,1360 ; R22.1@1045,288.9 v1(1045,325) ; SW1.4@1758.5,868.58 1758.5,948.5 v1(1760,950) 1760.63,950.63 U1.1@1812.6,950.63 ; SW1.3@2071.5,868.58 v1(2148.58,868.58) ; v1(2225,1085) R4.1@2225,1136.1 ; C7.2@2230,1251.1 2231.1,1250 v1(2270,1250)
  Top Layer w40: USB-1.MH1@1881.31,1373.57 1881.8,1374.06 1967.43,1374.06 USB-1.MH1@1967.92,1374.56 USB-1.MH1@2062.41,1374.56 2062.9,1374.06 2148.53,1374.06 USB-1.MH1@2149.02,1373.57
  Bottom Layer w12: C16.2@633.9,1135 633.9,1106.1 655,1085 v1(675,1085)
  Bottom Layer w20: L4.2@226,1093 228,1095 253.28,1095 265,1083.28 v1(265,1055) ; v1@375,1030 v1(375.43,1029.57) C17.1@435,1029.57
  other v1: 1260,625 1085,630 1120,630 1155,630 1190,630 1225,630 1290,640 1260,655 1320,655 1290,680 1260,685 1260,715
  other v2: 720.71,1202.17 756.14,1202.17 791.57,1202.17 720.71,1241.54 756.14,1241.54 791.57,1241.54